# KiCad board XIAO ePaper Display Board EE03_V1.0.kicad_pcb (continued)
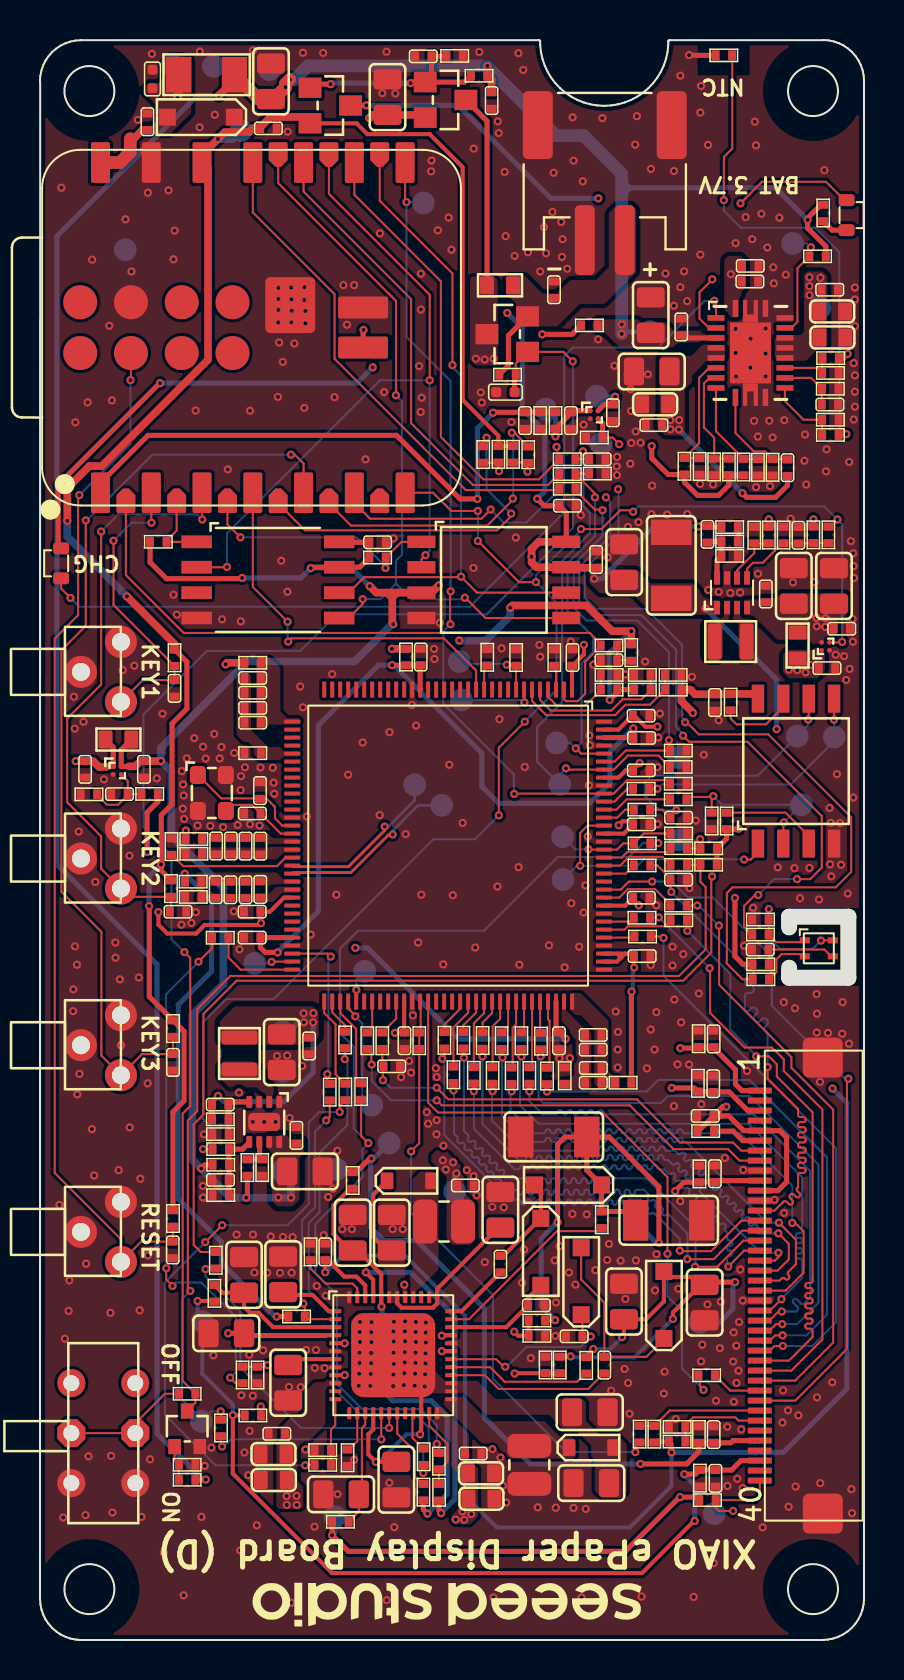
[diagram p0: board, top side]
## Routing (per net, layer and track width the routed paths; a pad name or vN(x,y) marks a point on that pad's centre or on a via; arc(x,y) is an arc through that point) (continued)
SPI0_CLK: length 26.2
  Top w0.102: v1(27.17,59.43) 27.47,59.13 C8.2 R10.2 ; R81.1 30.95,44.22 29.42,44.22 28.72,43.52 U12.122 26.38,43.52 v1(26.32,43.58)
  Bottom w0.102: v1(26.32,43.58) 26.01,43.27 TP44.1 24.88,43.91 24.88,45.64 26.13,46.89 26.13,53.95 27.51,55.33 27.51,56.35 27.19,56.67 27.19,59.41 v1(27.17,59.43)
SPI0_CS: length 43.2
  Top w0.102: v1(20.55,52.43) 20.52,52.4 20.52,50.81 v1(20.54,50.79) ; R80.1 31.35,42.99 29.38,42.99 28.71,42.32 U12.119 23.75,42.32 v1(23.73,42.3) ; U3.8 18.27,71.96 v1(18.34,71.89)
  Bottom w0.102: v1(20.55,52.43) 20.55,62.94 18.34,65.15 v1(18.34,71.89) 19.14,71.89 TP45.1 ; v1(23.73,42.3) 23.71,42.32 23.71,43.28 20.18,46.81 20.18,50.43 v1(20.54,50.79)
SPI0_MISO: length 18.7
  Top w0.102: R83.1 26.82,58.32 R9.2 27.77,57.33 ; v1(26.81,44.58) 26.82,44.58 27.08,44.32 U12.124
  Bottom w0.102: v1(27.77,57.13) 27.77,55.2 26.4,53.83 26.4,51.44 27.67,50.17 27.67,49.4 27.1,48.83 27.1,44.87 v1(26.81,44.58) 26.54,44.85 TP58.1
SPI0_MOSI: length 22.6
  Top w0.102: v1(31.47,44.99) 31.53,44.94 R82.1 29.31,44.47 28.76,43.92 U12.123 ; R7.2 26.8,57.48 27.76,56.52 28.12,56.52 v1(28.15,56.49)
  Bottom w0.102: v1(28.15,56.49) 28.15,56.49 28.15,55.2 26.71,53.76 26.71,51.61 27.35,50.97 29.89,50.97 31.47,49.39 v1(31.47,44.99) 31.45,44.97 31.45,44.63 TP59.1
TYPEC_5V: length 145
  Top w0.254: R16.1 8.29,8.01 v1(8.3,8.02) ; v1(30.61,59.69) 30.61,59.09 31.43,58.27 R139.2 32.24,57.89 32.9,57.23 33.96,57.23 34.47,57.75 R143.1 34.48,58.23 R146.1 ; R148.2 39.08,71.77 38.41,71.09 v1(38.41,71) 38.41,70.59 39.32,69.68 R30.2 ; U1.4 32.23,65.1 C74.1
  Top w0.381: C42.1 22.6,78 R145.2 22.38,78.7 v1(22.39,78.7) ; 9.74,78.26 9.74,78.01 v1(8.95,77.22)
  Top w0.635: C24.2 10.96,77.04 9.74,78.26 ; C24.2 11.69,77.04 v1(12.29,77.64) 12.29,77.81 v1(12.5,78.02) ; C24.2 11.57,77.03 11.74,77.03
  In2.Cu w0.254: v1(29.11,65.3) 32.92,61.49 32.92,60.34 32.27,59.69 v1(30.61,59.69)
  Bottom w0.254: v1(8.3,8.02) 8.15,8.02 5.86,10.31 5.86,33.77 0.85,38.78 0.85,70.19 7.84,77.18 8.91,77.18 v1(8.95,77.22) ; v1(38.41,71) 36.8,72.61 29.54,72.61 ; 29.54,72.61 29.11,72.18 ; 29.54,72.61 29.11,72.61 ; 29.54,72.61 29.51,72.61 29.11,73.01 ; TP26.1 29.22,65.41 v1(29.11,65.3)
  Bottom w0.635: v1(12.29,77.64) 12.29,77.81 v1(12.5,78.02) 12.72,78.02 13.41,78.7 v1(22.39,78.7) 22.39,78.65 25.82,75.22 27.2,75.22 29.11,73.31 v1(29.11,65.78) v1(29.11,65.3)
VCOM_OUT: length 42.6
  Top w0.254: R103.1 v1(14.62,5.24) 15.43,4.43 29.29,4.43 32,7.14 v1(32.03,7.14) 32.84,7.14 R60.1 ; J1.10 33.84,22.97 C98.1 33.01,22.9 R44.2 32.23,22.89 v1(31.78,22.44)
  In2.Cu w0.254: v1(32.03,7.14) 32.03,7.5 30.29,9.24 30.29,20.95 v1(31.78,22.44)
  Bottom w0.254: TP32.1 14.76,5.38 v1(14.62,5.24)
VD_1V8: length 49.5
  Top w0.203: U12.114 29.21,40.32 C115.1 29.53,40.93 29.15,40.93 v1(28.95,40.74) ; U12.105 29.28,36.72 C132.1 29.68,37.02 v1(29.96,36.73) ; v1(17.76,30.36) 17.78,30.38 C124.1 18.22,30.39 U12.75 ; 29.01,34.06 29.27,34.32 ; 29.01,34.06 28.87,33.92 U12.98 ; 29.01,34.06 29.01,34.2 28.89,34.32 ; 29.27,34.32 28.89,34.32 ; 29.27,34.32 29.59,34.32 C120.1 29.72,33.64 v1(29.73,33.62) ; v1(5.93,36.39) 5.93,35.77 6.37,35.32 7.81,35.32 8.24,35.75 10.97,35.75 v1(11.06,35.84) 11.03,35.87 C34.1 ; 28.89,34.32 U12.99 ; v1(27.22,49.76) 27.22,49.28 C112.1 ; U12.1 26.62,48.69 C112.1 ; U12.127 28.94,45.52 29.64,46.21 C128.1 29.74,46.21 30.29,45.67 v1(30.9,45.67) ; C112.1 26.65,48.71 ; C34.1 11.03,36.38 ; C34.1 11.51,36.42 12.21,37.12 U12.55 ; v1(30.01,43.84) 29.68,43.51 C113.1 29.31,43.48 28.95,43.12 U12.121
  Top w0.254: R140.2 8.61,26.77 C108.1 8.61,26.9 v1(8.91,27.2) ; R70.2 5.9,41.92 5.36,41.37 5.36,39.42 v1(5.38,39.4) ; v1(29.6,32.42) 29.59,32.42 R75.1
  In2.Cu w0.254: v1(5.93,36.39) 5.93,37.53 5.38,38.07 v1(5.38,39.4)
  Bottom w0.203: v1(29.73,33.62) 29.67,33.56 29.67,32.49 v1(29.6,32.42)
  Bottom w0.254: TP46.1 12.45,30.4 12.93,30.88 v1(13.21,30.88) ; v1(13.67,30.88) 13.67,28.37 12.21,26.92 9.2,26.92 v1(8.91,27.2)
  vias: v1(13.19,31.33) v1(13.68,31.34)
VDNG: length 42
  Top w0.203: 26.59,14.14 v1(26.55,14.18) 26.53,14.16 R117.1 ; 33.36,17.74 33.6,17.74 ; R130.1 27.33,14.2 v1(27.69,14.55) ; v1(29.13,15.14) 29.22,15.23 29.22,16.03 30.32,16.03 31.22,16.93 31.22,18.43 31.49,18.15 32.87,18.15 C149.2 33.06,17.76 31.67,16.37 v1(31.67,16.05)
  Top w0.254: C149.2 33.39,17.89 v1(34.78,17.89) ; J1.1 35.12,27.47 34.8,27.79 34.8,28.51 33.71,29.6 C90.1 33.7,29.65 R5.2 32.9,29.59 v1(32.04,29.59)
  In2.Cu w0.254: v1(32.04,29.59) 32.42,29.59 33.74,28.27 33.74,18.72 34.57,17.89 v1(34.78,17.89)
  Bottom w0.203: v1(27.69,14.55) 28.54,14.55 v1(29.13,15.14) ; v1(26.55,14.18) 26.6,14.13 29.75,14.13 v1(31.67,16.05)
  Bottom w0.254: v1(34.78,17.89) 34.67,17.78 34.67,16.54 34.01,15.88 TP23.1
VDNS_OUT: length 43.7
  Top w0.203: R107.1 9.67,11.23 v1(9.65,11.24) 9.65,8.32 14.62,3.34 30.12,3.34 32.73,5.95 v1(32.76,5.95) ; v1(7.89,16.95) 8.7,16.95 R104.1
  Top w0.254: v1(32.24,8.29) 32.81,8.29 R3.2 33.79,8.51 C103.1 34.6,8.5 35.07,8.97 J1.38
  Bottom w0.203: v1(9.65,11.24) 9.65,11.78 8.12,13.31 TP20.1 7.89,16.14 v1(7.89,16.95)
  Bottom w0.254: v1(32.24,8.29) 32.24,8.28 32.76,7.76 v1(32.76,5.95)
VDPG: length 40.2
  Top w0.254: C14.1 28.48,25.15 30.97,22.66 v1(30.97,19.85) ; C14.1 27.36,23.49 D4.2 28.1,21.44 R113.2 29.37,21.43 C23.1 ; C14.1 26.27,25.15 25.9,24.78 v1(25.9,20.89) ; v1(25.78,15.99) 25.76,15.97 R119.1 ; v1(31.61,27.6) 32.74,27.6 R1.2 33.67,27.42 C91.1 33.69,27.4 34.48,27.4 35.42,26.47 J1.3
  In2.Cu w0.254: v1(31.61,27.6) 32.54,26.67 32.54,21.4 30.99,19.85 v1(30.97,19.85)
  Bottom w0.254: v1(25.9,20.89) 25.08,20.07 25.08,16.69 v1(25.78,15.99) ; v1(30.97,19.85) 30.85,19.85 TP24.1
VDPS_OUT: length 34.2
  Top w0.254: v1(30.05,8.8) 32.36,8.8 32.97,9.42 R4.2 C104.1 34.57,9.86 34.67,9.97 J1.36 ; v1(16.58,24.07) 16.5,24.07 15.81,23.39 R116.2
  Bottom w0.254: v1(30.05,8.8) 24.54,8.8 22.24,11.1 22.24,16.58 18.85,19.97 17.2,19.97 16.55,20.62 16.55,24.04 v1(16.58,24.07) 16.7,24.07 TP21.1
VREF: length 11.1
  Top w0.254: R22.1 40.2,64.09 v1(40.41,64.3)
  In2.Cu w0.254: v1(34.57,68.29) 35.44,69.17 39.52,69.17 40.32,68.37 40.32,64.4 v1(40.41,64.3)
VSYS: length 4.2
  Top w0.254: R69.2 v1(36.47,56.03) ; R24.2 v1(38.7,56.03)
  Bottom w0.254: v1(38.7,56.03) 38.27,55.6 36.9,55.6 v1(36.47,56.03) ; TP27.1 39.03,66.71 v1(38.5,67.24)
  vias: v1(38.5,68.13) v1(38.5,67.69) v1(38.86,51.11) v1(38.87,50.68) v1(39.05,68.11) v1(39.29,50.65) v1(39.31,51.08)
Net-(C1-Pad2): length 1.5
  Top w0.102: R2.1 C1.2 29.55,48.99 R125.1
Net-(C21-Pad2): length 9.3
  Top w0.102: D6.1 27.08,18.02 28.24,16.86 C21.2 30.34,14.16 31.22,15.03 D1.2
Net-(C141-Pad2): length 4.6
  Top w0.203: D4.1 25.06,22.44 D3.2 23.18,19.2 C141.2
Net-(D5-+): length 1.4
  Top w0.254: R148.1 39.64,70.49 D5.1
Net-(D5--): length 13.8
  Top w0.102: D5.2 40.25,71.99 39.33,72.91 36.13,72.91 v1(35.05,71.83) ; v1(33.64,68.03) 33.64,68.02 33,67.38 33,66.07 33.47,65.6 U1.3
  In2.Cu w0.102: v1(33.64,68.03) 33.64,70.42 v1(35.05,71.83)
Net-(D16-+): length 32.8
  Top w0.254: v1(25.13,65.28) 26.62,65.28 27.07,65.73 R149.1 ; D16.1 0.91,54.73 0.91,57.76 5.92,62.77 5.94,62.77 v1(6.01,62.84)
  In2.Cu w0.254: v1(16.65,63.63) 18.4,65.38 25.03,65.38 v1(25.13,65.28)
  Bottom w0.254: v1(6.01,62.84) 15.86,62.84 v1(16.65,63.63)
Net-(D16--): length 45.4
  Top w0.102: D16.2 1.06,52.57 v1(1.53,52.1) ; U1.2 33.82,66.88 v1(33.74,66.96)
  Bottom w0.102: v1(1.53,52.1) 1.97,51.66 21.51,51.66 26.23,56.38 26.23,64.18 26.67,64.62 30.92,64.62 33.26,66.96 v1(33.74,66.96)
Net-(J1-Pad6): length 2.5
  Top w0.254: J1.6 35.16,24.97 34.69,25.44 R249.1
Net-(Q3-G): length 74.8
  Top w0.102: v1(7.23,34.39) 7.52,34.1 7.52,26.7 7.14,26.32 7.14,12.95 R8.2 7.78,11.86 Q4.3 ; v1(26.66,63.93) 26.19,64.4 Q3.1 23.81,63.82 R62.2
  Top w0.254: R62.2 23.75,63.21 D9.2
  Bottom w0.102: v1(26.66,63.93) 26.68,63.91 26.68,55.61 22.35,51.28 14.85,51.28 13.02,49.45 8.35,49.45 5.18,46.28 5.18,40.64 6.58,39.24 6.58,35.04 v1(7.23,34.39)
Net-(Q3-S): length 3.5
  Top w0.254: R62.1 23.44,63.72 23.44,65.23 Q3.2
Net-(Q4-G): length 1.8
  Top w0.102: R16.2 R40.2 6.73,8.98 Q4.1
Net-(Q5-S): length 14.5
  Top w0.254: v1(16.19,65.5) 16.17,65.48 U3.32
  Top w0.381: Q5.2 19.14,76.25 C69.1 16.64,76.25 v1(16.48,76.09)
  In2.Cu w0.254: v1(16.48,76.09) 16.48,65.79 v1(16.19,65.5)
Net-(R8-Pad1): length 6.5
  Top w0.102: R8.1 6.25,12.31 4.77,10.83 SW1.COM2 SW1.COM1
Net-(R20-Pad2): length 24.2
  Top w0.102: v1(34.22,71.99) 34.22,74.15 34.64,74.57 34.64,79.23 R20.2 ; v1(40.35,60.29) 40.31,60.25 R21.1
  Bottom w0.102: v1(34.22,71.99) 34.22,71.46 35.07,70.61 38.77,70.61 39.99,69.39 39.99,60.65 v1(40.35,60.29)
Net-(R134-Pad2): length 0.7
  Top w0.254: R134.2 R79.1
Net-(TP7-T): length 6.8
  Top w0.381: v1(6.88,77.15) 6.94,77.22 F1.1 ; C58.1 5.13,75.5 4.52,74.89 4.52,74.39
  Top w0.635: U3.14 4,73.87 4.52,74.39 4.52,75.06
  Bottom w0.381: TP7.1 6.88,78.44 v1(6.88,77.15)
Net-(TP11-T): length 1.7
  Top w0.102: U12.69 15.82,32.5 v1(15.83,32.5)
  Bottom w0.102: v1(15.83,32.5) 15.83,33.01 TP11.1
Net-(TP12-T): length 5.7
  Top w0.102: U12.68 15.42,31.57 15.78,31.21 v1(15.78,31.18)
  Bottom w0.102: v1(15.78,31.18) 15.78,31.17 16.13,30.82 16.13,27.21 TP12.1
Net-(TP15-T): length 4.1
  Top w0.254: U17.A1 26.65,61.46 C49.1 26.57,61.34 25.8,60.57 R28.2 25.8,60.19 v1(25.79,60.18)
  Bottom w0.254: v1(25.79,60.18) 25.79,61.06 TP15.1
Net-(TP18-T): length 5.7
  Top w0.102: U1.18 37.6,65.6 37.9,65.9 37.9,68.59 R30.1 38.5,69.56 v1(38.57,69.63)
  Bottom w0.102: TP18.1 38.38,69.82 v1(38.57,69.63)
Net-(TP57-T): length 1.9
  Top w0.102: v1(11.59,33.9) 11.61,33.92 U12.63
  Bottom w0.102: TP57.1 11.52,33.83 v1(11.59,33.9)
Net-(U1A-CE): length 4.8
  Top w0.102: U1.9 33.82,60.44 R146.2 35.91,59.06 35.92,59.05
Net-(U1A-DPPM): length 2.9
  Top w0.102: U1.13 38.59,63.1 R84.2 39.11,62.54 C78.1
Net-(U1A-ISET1): length 4.9
  Top w0.102: U1.10 34.8,60.35 35.72,59.43 36.28,59.43 36.65,59.05 37.38,59.05 37.4,59.03
Net-(U1A-ISET2): length 6.1
  Top w0.102: U1.7 33.48,63.6 32.98,63.1 32.98,59.83 R139.1 32.99,59.1 R142.2
Net-(U1A-MODE): length 5.4
  Top w0.102: R143.2 R144.2 33.73,60.11 33.22,60.62 33.22,62.82 33.5,63.1 U1.8
Net-(U1A-TMR): length 2.7
  Top w0.102: U1.14 38.89,63.6 R33.2 39.14,64.08 R22.2
Net-(U1A-TS): length 3.7
  Top w0.102: R21.2 R26.2 38.21,61.01 37.27,61.95 U1.12
Net-(U3-GPIO7_D8/A8/SCK): length 22.7
  Top w0.102: U3.9 15.73,72.26 20.06,67.93 20.06,60.15 22.18,58.03 24.97,58.03 R10.1
Net-(U3-GPIO8_D9/A9/MISO): length 24.2
  Top w0.102: R9.1 25.42,57.75 21.66,57.75 18.57,60.84 18.57,67.04 13.19,72.42 U3.10
Net-(U3-GPIO9_D10/A10/MOSI): length 25.5
  Top w0.102: R7.1 25.91,57.49 21.31,57.49 14.74,64.06 14.74,67.29 10.65,71.38 U3.11
Net-(U3-GPIO41_PDM_DATA/RX1): length 17.6
  Top w0.102: R17.2 22.18,59.95 v1(22.35,60.11) ; U3.18 11.92,56.82 13.26,55.48 22.87,55.48 23.57,56.19 v1(23.57,56.32)
  Bottom w0.102: v1(22.35,60.11) 22.35,57.55 v1(23.57,56.32)
Net-(U3-GPIO42_PDM_CLK/TX1): length 14.8
  Top w0.102: R12.2 24.42,59.68 23.74,60.36 v1(23.61,60.36) ; U3.19 14.46,56.82 15.56,55.72 22.38,55.72 23.66,57 v1(23.66,57.07)
  Bottom w0.102: v1(23.61,60.36) 23.68,60.29 23.68,57.09 v1(23.66,57.07)
Net-(U8-SCL): length 2.7
  Top w0.102: R155.1 36.85,33.4 36.85,34.03 37.11,34.29 38.16,34.29 U8.2
Net-(U8-SDA): length 2
  Top w0.102: R154.1 36.84,34.89 38.18,34.89 U8.1
Net-(U8-VDD): length 4.1
  Top w0.102: R152.2 36.47,34.5 C85.1 39.25,34.52 39.59,34.18 U8.3
Net-(U8-VSS): length 5.6
  Top w0.102: R153.2 36.46,36.54 v1(36.47,36.54) ; v1(39.08,34.97) 39.09,34.98 U8.4
  Bottom w0.102: v1(39.08,34.97) 38.65,34.54 37.04,34.54 36.47,35.11 v1(36.47,36.54)
Net-(U10-INT_LDO): length 2.5
  Top w0.203: C136.1 12.71,14.04 U10.7
Net-(U10-SCL): length 10
  Top w0.102: R156.2 9.06,9.73 v1(9.11,9.68) ; v1(17.08,10.03) 17.08,10.04 U10.17
  Bottom w0.102: v1(17.08,10.03) 9.56,10.03 9.2,9.68 v1(9.11,9.68)
Net-(U10-SDA): length 15.6
  Top w0.102: R157.2 8.32,18.57 v1(8.29,18.54) ; U10.18 17.48,10.61 v1(17.47,10.6)
  Bottom w0.102: v1(17.47,10.6) 13.06,10.6 10.03,13.63 10.03,16.44 8.29,18.18 v1(8.29,18.54)
Net-(U10-TS): length 3.6
  Top w0.102: U10.47 15.88,17.59 15.64,17.82 14.29,17.82 13.54,18.57 R112.1
Net-(U10-VCOM): length 5.8
  Top w0.102: U10.15 16.28,10.77 16.11,10.6 16.11,7.44 C119.1 15.95,6.42 R103.2
Net-(U10-VCOM_DIS): length 2.1
  Top w0.102: U10.14 15.88,9.94 15.46,9.53 R111.2
Net-(U10-VDDH_D): length 5.6
  Top w0.203: D3.1 24.42,17.1 C144.1 23.33,15.64 U10.34
Net-(U10-VDDH_DIS): length 9.4
  Top w0.102: R113.1 27.95,20.44 25.87,20.44 21.47,16.04 U10.35
Net-(U10-VDDH_DRV): length 3.3
  Top w0.203: U10.36 21.1,16.44 C141.1
Net-(U10-VEE_D): length 9.3
  Top w0.102: D6.2 27.14,16.2 C145.1 27.55,15.18 v1(27.56,15.17) ; U10.30 22.82,14.04 23.2,13.66 v1(23.28,13.66)
  Bottom w0.102: v1(23.28,13.66) 23.36,13.66 24.34,14.64 27.03,14.64 v1(27.56,15.17)
Net-(U10-VEE_DIS): length 7.2
  Top w0.102: U10.29 22.52,13.64 23.25,12.91 26.88,12.91 27.28,13.32 R130.2
Net-(U10-VEE_DRV): length 8.3
  Top w0.102: U10.28 22.26,13.24 22.95,12.55 27.43,12.55 28.21,13.33 C21.1
Net-(U10-VNEG_DIS): length 6.1
  Top w0.102: R107.2 11.07,11.66 v1(11.05,11.67) ; v1(15.25,13.24) 15.24,13.24 U10.9
  In2.Cu w0.102: v1(11.05,11.67) 11.05,12.27 11.81,13.03 15.04,13.03 v1(15.25,13.24)
Net-(U10-VPOS_DIS): length 4.1
  Top w0.102: R109.2 19.13,7.81 18.75,8.18 18.75,9.44 17.88,10.32 U10.19
Net-(U10-VREF): length 3
  Top w0.203: U10.1 14.45,16.44 13.64,17.25 12.31,17.25 C135.1
Net-(U12-GDCLK): length 1.8
  Top w0.102: R91.1 17.82,31.07 U12.74
Net-(U12-GDSPV): length 1.6
  Top w0.102: R92.1 16.62,30.62 U12.71
Net-(U12-GPIO8/PWR0): length 8.5
  Top w0.102: U12.62 14.4,34.32 v1(14.55,34.17) ; R131.2 14.38,27.93 v1(14.38,28.29)
  Bottom w0.102: v1(14.55,34.17) 14.43,34.05 14.43,28.34 v1(14.38,28.29)
Net-(U12-GPIO10/PWR2): length 4.4
  Top w0.102: U12.64 10.03,33.52 9.43,34.12 R133.2
Net-(U12-GPIO11/PWR3): length 4.6
  Top w0.102: R96.1 15.26,27.82 14.79,28.28 14.79,30.78 14.22,31.35 U12.65
Net-(U12-GPIO12/PWR4): length 1.8
  Top w0.102: R123.1 15.27,30.73 14.62,31.38 U12.66 14.61,31.9
Net-(U12-GPIO13/PWR5): length 4.5
  Top w0.102: U12.67 15.02,31.35 15.82,30.55 15.82,28.08 R150.1
Net-(U12-I2C_SCL): length 3.7
  Top w0.102: 31.55,38.75 31.14,39.16 29.47,39.16 29.03,38.72 U12.110
Net-(U12-I2C_SDA): length 3.5
  Top w0.102: 31.55,39.59 31.35,39.39 29.38,39.39 29.11,39.12 U12.111
Net-(U12-RREF): length 6.5
  Top w0.102: R58.2 6.61,39.26 7.17,38.69 11.86,38.69 12.29,39.12 U12.50
Net-(U12-SDCLK): length 1.7
  Top w0.102: R47.1 29.3,38.32 U12.109
Net-(U12-SPI_MISO): length 1.7
  Top w0.102: U12.118 28.75,41.92 29.39,42.56 R93.1
Net-(U12-SPI_MOSI): length 3.5
  Top w0.102: R94.1 29.36,42.03 28.85,41.52 U12.117
Net-(U12-SPI_SCK): length 1.7
  Top w0.102: U12.116 28.89,41.12 29.28,41.52 R95.1
Net-(U13-EN): length 5.8
  Top w0.102: R15.2 38.69,54.83 R24.1 R158.2 ; R15.2 37.94,54.83 C43.2 ; R15.2 37.14,54.83 36.9,54.59 36.9,54.59 36.76,54.45 36.76,54.45 36.17,53.86 35.68,53.86 35.38,53.56 U13.5
Net-(U13-FB): length 2.6
  Top w0.254: U13.8 33.88,53.99 R135.1 R134.1 33.45,54.92 C105.2
Net-(U13-MODE): length 2.8
  Top w0.102: U13.6 34.88,53.49 35.74,54.35 R78.2 36.47,54.83 R69.1
Net-(U14-EN): length 3.5
  Top w0.254: U14.5 10.47,24.88 10.14,24.54 R159.1 R25.1 9.46,23.01 C27.2 9.45,22.25 R136.1
Net-(U14-FB): length 2.6
  Top w0.254: R141.2 9.44,25.3 R140.1 9.43,26.04 C108.2 9.56,26.9 U14.4
Net-(U14-MODE): length 1.7
  Top w0.254: R137.1 11.12,24.03 R138.2 10.99,24.17 10.99,24.89 U14.6
Net-(U19-EN): length 3.8
  Top w0.102: U19.B2 4.39,42.95 C38.1 ; R34.2 2.86,42.25 3.35,41.76 3.91,41.76 4.39,42.25 C38.1 ; C38.1 5.07,42.29 R70.1

## Copper pours and planes (outline as drawn; the poured copper is in the pictures)
GND on Top, Bottom, In1.Cu, In2.Cu: -1.07,82.15 42.7,82.15 42.7,-1.36 41.54,-2.52 -1.01,-2.52 -2.47,-1.06 -2.47,80.75
GND18A on Top: 26.15,32.31 26.29,32.31 26.34,32.26 26.34,31.47 27.24,30.57 27.36,30.57 27.6,30.33 27.6,27.66 27.42,27.48 26.09,27.48 25.99,27.58 25.99,27.95 26.07,28.03 26.51,28.03 26.72,28.24 26.72,28.92 26.8,29 26.8,30.02 26.52,30.3 26.52,30.5 26.03,30.99 26.03,31.48 26.13,31.58 26.13,32.29
GND33A_HSRT on Top: 11.4,39.62 11.44,39.66 12.93,39.66 13.02,39.57 13.02,39.45 12.93,39.36 12.18,39.36 11.85,39.03 7.99,39.03 7.9,39.12 7.9,39.5 8.02,39.62
GND33A_U20 on Top: 8.61,37.41 8.71,37.31 11.47,37.31 11.82,37.66 12.95,37.66 13.05,37.56 13.05,37.45 12.96,37.36 12.13,37.36 11.66,36.89 7.91,36.89 7.84,36.97 7.84,37.24 8.01,37.41
GNDAT on Top: 12.97,44.43 13.01,44.39 13.01,44.22 12.97,44.18 12.23,44.18 12.05,44 10.98,44 10.7,44.28 10.7,44.62 10.42,44.9 10.18,44.9 9.84,45.24 9.84,48.19 10.01,48.36 10.4,48.36 10.56,48.2 10.56,45.5 11.41,44.65 12.01,44.65 12.22,44.44 12.25,44.44 12.26,44.43
VBAT on Top: 22.71,68.18 22.91,67.98 22.91,63.86 22.78,63.73 21.82,63.73 21.53,64.02 21.53,68.08 21.63,68.18
VBAT on Top: 32.6,64.21 33.18,64.79 34.1,64.79 34.28,64.61 34.28,64.11 34.09,63.92 33.33,63.92 32.63,63.22 32.63,62.89 32.27,62.53 32.27,60.35 32.15,60.23 31.28,60.23 30.89,60.62 30.89,61.18 31.01,61.3 31.01,64.09 31.13,64.21
VBAT on In2.Cu: 28.81,64.61 32.28,61.15 32.28,60.37 32.11,60.2 29.03,60.2 26.41,62.82 21.83,62.82 21.35,63.3 21.35,64.04 21.92,64.61
VCC18A on Top: 27.06,32.34 28.44,30.96 28.44,28.44 28.7,28.18 28.98,28.18 29.03,28.13 29.03,27.63 28.96,27.56 28.01,27.56 27.74,27.83 27.74,30.55 27.05,31.24 26.8,31.24 26.52,31.52 26.52,32.23 26.63,32.34
VCC33A on Top: 11.52,49.11 12.03,48.6 12.03,46.43 12.37,46.09 12.95,46.09 13.05,45.99 13.05,45.88 12.94,45.77 11.48,45.77 11.26,45.56 10.87,45.56 10.81,45.62 10.81,48.95 10.97,49.11
VCC33A_HSRT on Top: 7.99,40.33 11.4,40.33 11.64,40.09 12.91,40.09 13.03,39.97 13.03,39.84 12.99,39.8 11.28,39.8 11.19,39.89 8.43,39.89 8.32,39.78 8,39.78 7.89,39.89 7.89,40.23
VCC33A_U20 on Top: 11.85,38.37 12.17,38.05 12.97,38.05 13.05,37.97 13.05,37.85 12.97,37.77 11.59,37.77 11.53,37.71 8.46,37.71 8.35,37.61 7.85,37.61 7.78,37.68 7.78,38.27 7.88,38.37
VCC_3V3 on Top: 12.35,25.24 12.56,25.03 13.09,25.03 13.21,24.91 13.21,24.36 12.99,24.14 12.99,22.03 12.64,21.68 11.87,21.68 11.61,21.94 11.61,24.34 11.32,24.63 11.32,25.15 11.41,25.24
VCC_3V3 on Top: 28.28,53.82 28.59,53.51 29.86,53.51 30.54,52.83 32.67,52.83 33.52,51.98 33.92,51.98 34.05,51.85 34.05,51.36 33.95,51.26 30.7,51.26 29.62,52.34 28.01,52.34 27.49,52.86 27.49,53.64 27.67,53.82
/E-ink/VB_OUT on Top: 18.15,19.99 18.29,19.85 18.29,17.85 17.97,17.53 17.97,16.9 17.91,16.84 17.43,16.84 17.38,16.89 17.38,18.37 16.91,18.84 16.91,19.73 17.17,19.99
/E-ink/VB_SW on Top: 18.62,16.8 18.73,16.8 18.81,16.88 18.81,17.44 18.91,17.54 18.96,17.54 19.94,18.52 19.94,23.16 19.68,23.42 19.03,23.42 18.64,23.03 18.64,18.38 18.51,18.25 18.51,17.44 18.55,17.4 18.55,16.87
/E-ink/VN_OUT on Top: 19.4,16.32 19.72,16 19.72,13.5 20.28,12.94 20.85,12.94 20.97,12.82 20.97,12.48 20.82,12.33 19.54,12.33 19.35,12.14 16.1,12.14 15.57,12.67 15.57,15.98 15.93,16.32
/E-ink/VN_OUT on Top: 21.89,12.96 22.8,12.05 27.15,12.05 27.32,11.88 27.32,10.95 27.99,10.28 28.87,10.28 29.36,9.79 29.36,7.37 29.08,7.09 28.12,7.09 27.76,7.45 27.76,9.01 27.58,9.19 27.58,9.72 26.75,10.55 26.17,10.55 25.46,11.26 22.34,11.26 21.26,12.34 20.39,12.34 20.27,12.46 20.27,12.8 20.43,12.96
EDP_Drive on Top: 20.2,11.65 21.47,10.38 21.47,9.03 21.92,8.58 21.92,6.17 21.54,5.79 20.77,5.79 20.59,5.97 20.59,6.22 20.99,6.62 20.99,8.26 20.55,8.7 20.55,9.86 19.67,10.74 19.67,11.51 19.81,11.65
EDP_Drive on Top: 11.96,6.55 11.83,6.68 11.83,9.82 12.02,10.01 12.02,10.6 12.58,11.16 12.93,11.16 13.28,11.51 13.28,12.42 13.75,12.89 14.24,12.89 14.41,13.06 15.1,13.06 15.23,12.93 15.23,12.7 15.14,12.61 14.4,12.61 14.29,12.5 14.29,10.77 13.47,9.95 13.27,9.95 12.89,9.57 12.89,7.94 13.17,7.66 13.17,6.68 13.04,6.55
EDP_Drive on Top: 20.64,19.76 20.34,20.06 20.34,23.16 19.58,23.92 19.58,24.23 19.87,24.52 20.26,24.52 21.21,23.57 21.21,22.39 21.78,21.82 21.78,19.99 21.55,19.76
EDP_Drive on Top: 37.4,49.5 38.69,49.5 38.8,49.61 39.16,49.61 39.27,49.5 39.27,48.47 38.89,48.09 37.48,48.09 37.18,48.39 37.18,49.28
EDP_Drive on In2.Cu: 15.73,23.09 13.47,25.35 13.06,25.35 5.61,32.8 5.61,36.07 9.82,40.28 13.22,40.28 20.29,47.35 20.29,50.48 23.77,53.96 34.67,53.96 39.06,49.57 39.06,48.16 38.63,47.73 32.84,47.73 30.21,50.36 26.84,50.36 25.73,49.26 25.73,41.54 21.79,37.6 11.66,37.6 10.62,36.56 10.62,32.66 13.58,29.7 15.28,29.7 19.98,25 19.98,24.98 21.07,23.89 21.08,23.89 21.21,23.76 21.21,23.32 20.98,23.09
EDP_Drive on In2.Cu: 20.08,24.26 20.57,24.26 21.04,23.79 21.04,23.22 29.53,14.73 29.53,10.94 24.24,5.65 12.47,5.65 11.67,6.45 11.67,9.24 13.55,11.12 22.59,11.12 24,12.53 24,14.13 15.73,22.4 15.73,23.83 16.17,24.27 20.09,24.27
TYPEC_5V on Top: 31.28,65.89 31.7,65.47 33.03,65.47 33.2,65.3 34.13,65.3 34.24,65.19 34.24,64.96 34.16,64.88 31.93,64.88 31.68,64.63 29,64.63 28.28,65.35 27.93,65.35 27.64,65.64 27.64,65.81 27.86,66.03 29.92,66.03 30.06,65.89
VD_1V8 on Top: 13.06,29.76 13.21,29.91 13.71,29.91 13.94,30.15 13.94,31.4 13.66,31.68 9.75,31.68 9,30.93 9,29.97 9.21,29.76
VD_1V8 on In2.Cu: 12.7,30.56 10.81,32.45 10.81,36.31 11.43,36.93 23.25,36.93 26.48,40.16 26.48,49.56 27.09,50.17 28.1,50.17 31.12,47.15 31.12,33.11 29.8,31.79 19.84,31.79 18.24,30.19 13.94,30.19 13.57,30.56
VREF on Top: 34.95,66.13 35.1,66.28 35.1,67.4 35.32,67.62 35.32,68.95 35.07,69.2 34.43,69.2 34.24,69.01 34.24,66.48 34.59,66.13
VSYS on Top: 36.04,52.02 36.12,52.1 36.84,52.1 37.07,52.33 40.31,52.33 40.46,52.18 40.46,51.3 40.26,51.1 40.05,51.1 39.93,50.98 39.93,50.4 39.72,50.19 39.45,50.19 39.3,50.04 39.3,49.84 39.18,49.72 38.75,49.72 38.46,50.01 36.89,50.01 35.67,51.23 35.36,51.23 35.2,51.39 35.2,51.92 35.3,52.02
VSYS on Top: 38.34,63.96 38.95,64.57 39.24,64.57 39.39,64.72 39.39,68.19 39.16,68.42 38.38,68.42 38.23,68.27 38.23,65.42 38.05,65.24 36.94,65.24 36.76,65.06 36.76,64.15 36.95,63.96
VSYS on In2.Cu: 39.29,50.29 40.14,51.14 40.14,67.59 39.25,68.48 38.28,68.48 36.84,67.04 36.84,57.8 35.68,56.64 35.68,51.85 37.24,50.29
Net-(Q3-S) on Top: 29.61,71.75 29.83,71.53 29.83,68.39 28.24,66.8 27.01,66.8 25.89,65.68 24.06,65.68 23.83,65.91 23.83,66.8 23.35,67.28 23.35,68.07 23.47,68.19 24.27,68.19 25.14,67.32 25.87,67.32 26.55,68 27.82,68 28.46,68.64 28.46,71.34 28.87,71.75
Net-(TP7-T) on Top: 6.52,75.3 7.57,76.35 7.57,78.82 7.21,79.18 6.5,79.18 6.13,78.81 6.13,78.06 5.9,77.83 5.46,77.83 5.45,77.84 5.26,77.65 5.26,77.32 5.82,76.76 5.82,75.92 5.61,75.71 5.22,75.71 5.1,75.59 5.1,75.49 5.29,75.3
Net-(U10-VN_SW) on Top: 21.23,12.14 22.43,10.94 25.25,10.94 26.07,10.12 26.62,10.12 26.82,9.92 26.82,9.19 26.69,9.06 23.5,9.06 22.73,9.83 22.12,9.83 20.21,11.74 20.21,12.05 20.3,12.14
Net-(U13-LX1) on Top: 34.99,51.96 35.06,51.89 35.06,51.25 35.26,51.05 35.52,51.05 35.72,50.85 35.72,49.11 35.59,48.98 35.09,48.98 34.95,49.12 34.95,50.81 34.85,50.91 34.8,50.91 34.67,51.04 34.67,51.86 34.77,51.96
Net-(U13-LX2) on Top: 34.52,51.95 34.58,51.89 34.58,51.14 34.34,50.9 34.24,50.9 34.18,50.84 34.18,49.17 33.97,48.96 33.42,48.96 33.23,49.15 33.23,50.75 33.65,51.17 33.99,51.17 34.14,51.32 34.14,51.87 34.22,51.95
Net-(U14-SW) on Top: 10.68,28.93 11.28,28.33 11.28,28.02 11.7,27.6 11.7,26.71 11.58,26.59 11.33,26.59 11.23,26.69 11.23,27.24 10.84,27.63 9.47,27.63 8.97,28.13 8.97,28.72 9.18,28.93

## Text on the board
B.Silkscreen: RESET | KEY3 | KEY2 | KEY1 | ON | OFF | I2C Address: 0x44 | SHT40 | 40 PIN | EE03 | V1.0
F.Silkscreen: CHG | - | + | NTC | BAT 3.7V | KEY3 | RESET | KEY1 | KEY2 | OFF | ON | LAYER# | LAYER 1 - GTL | LAYER 2 - GND | LAYER 3 - POWER | LAYER 4 - GBL | COPPER WEIGHT / (OZ) | HALF+PLATING=1OZ | HALF=0.5OZ | 50ohm SINGLE ENDED / IMPEDANCE CONTROL +/-10% | TRACE WIDTH (mil) | 90ohm SINGLE ENDED / IMPEDANCE CONTROL +/-10% | TRACE WIDTH / SPACE (mil) | 5.59/6 | 100ohm SINGLE ENDED / IMPEDANCE CONTROL +/-10% | XIAO ePaper Display Board (D) | L1-L2: 3.91mil | LAYER STACK-UP - ALL DIMENSIONS IN MIL
